# KiCad board KlusterLab r2.0.kicad_pcb (continued)
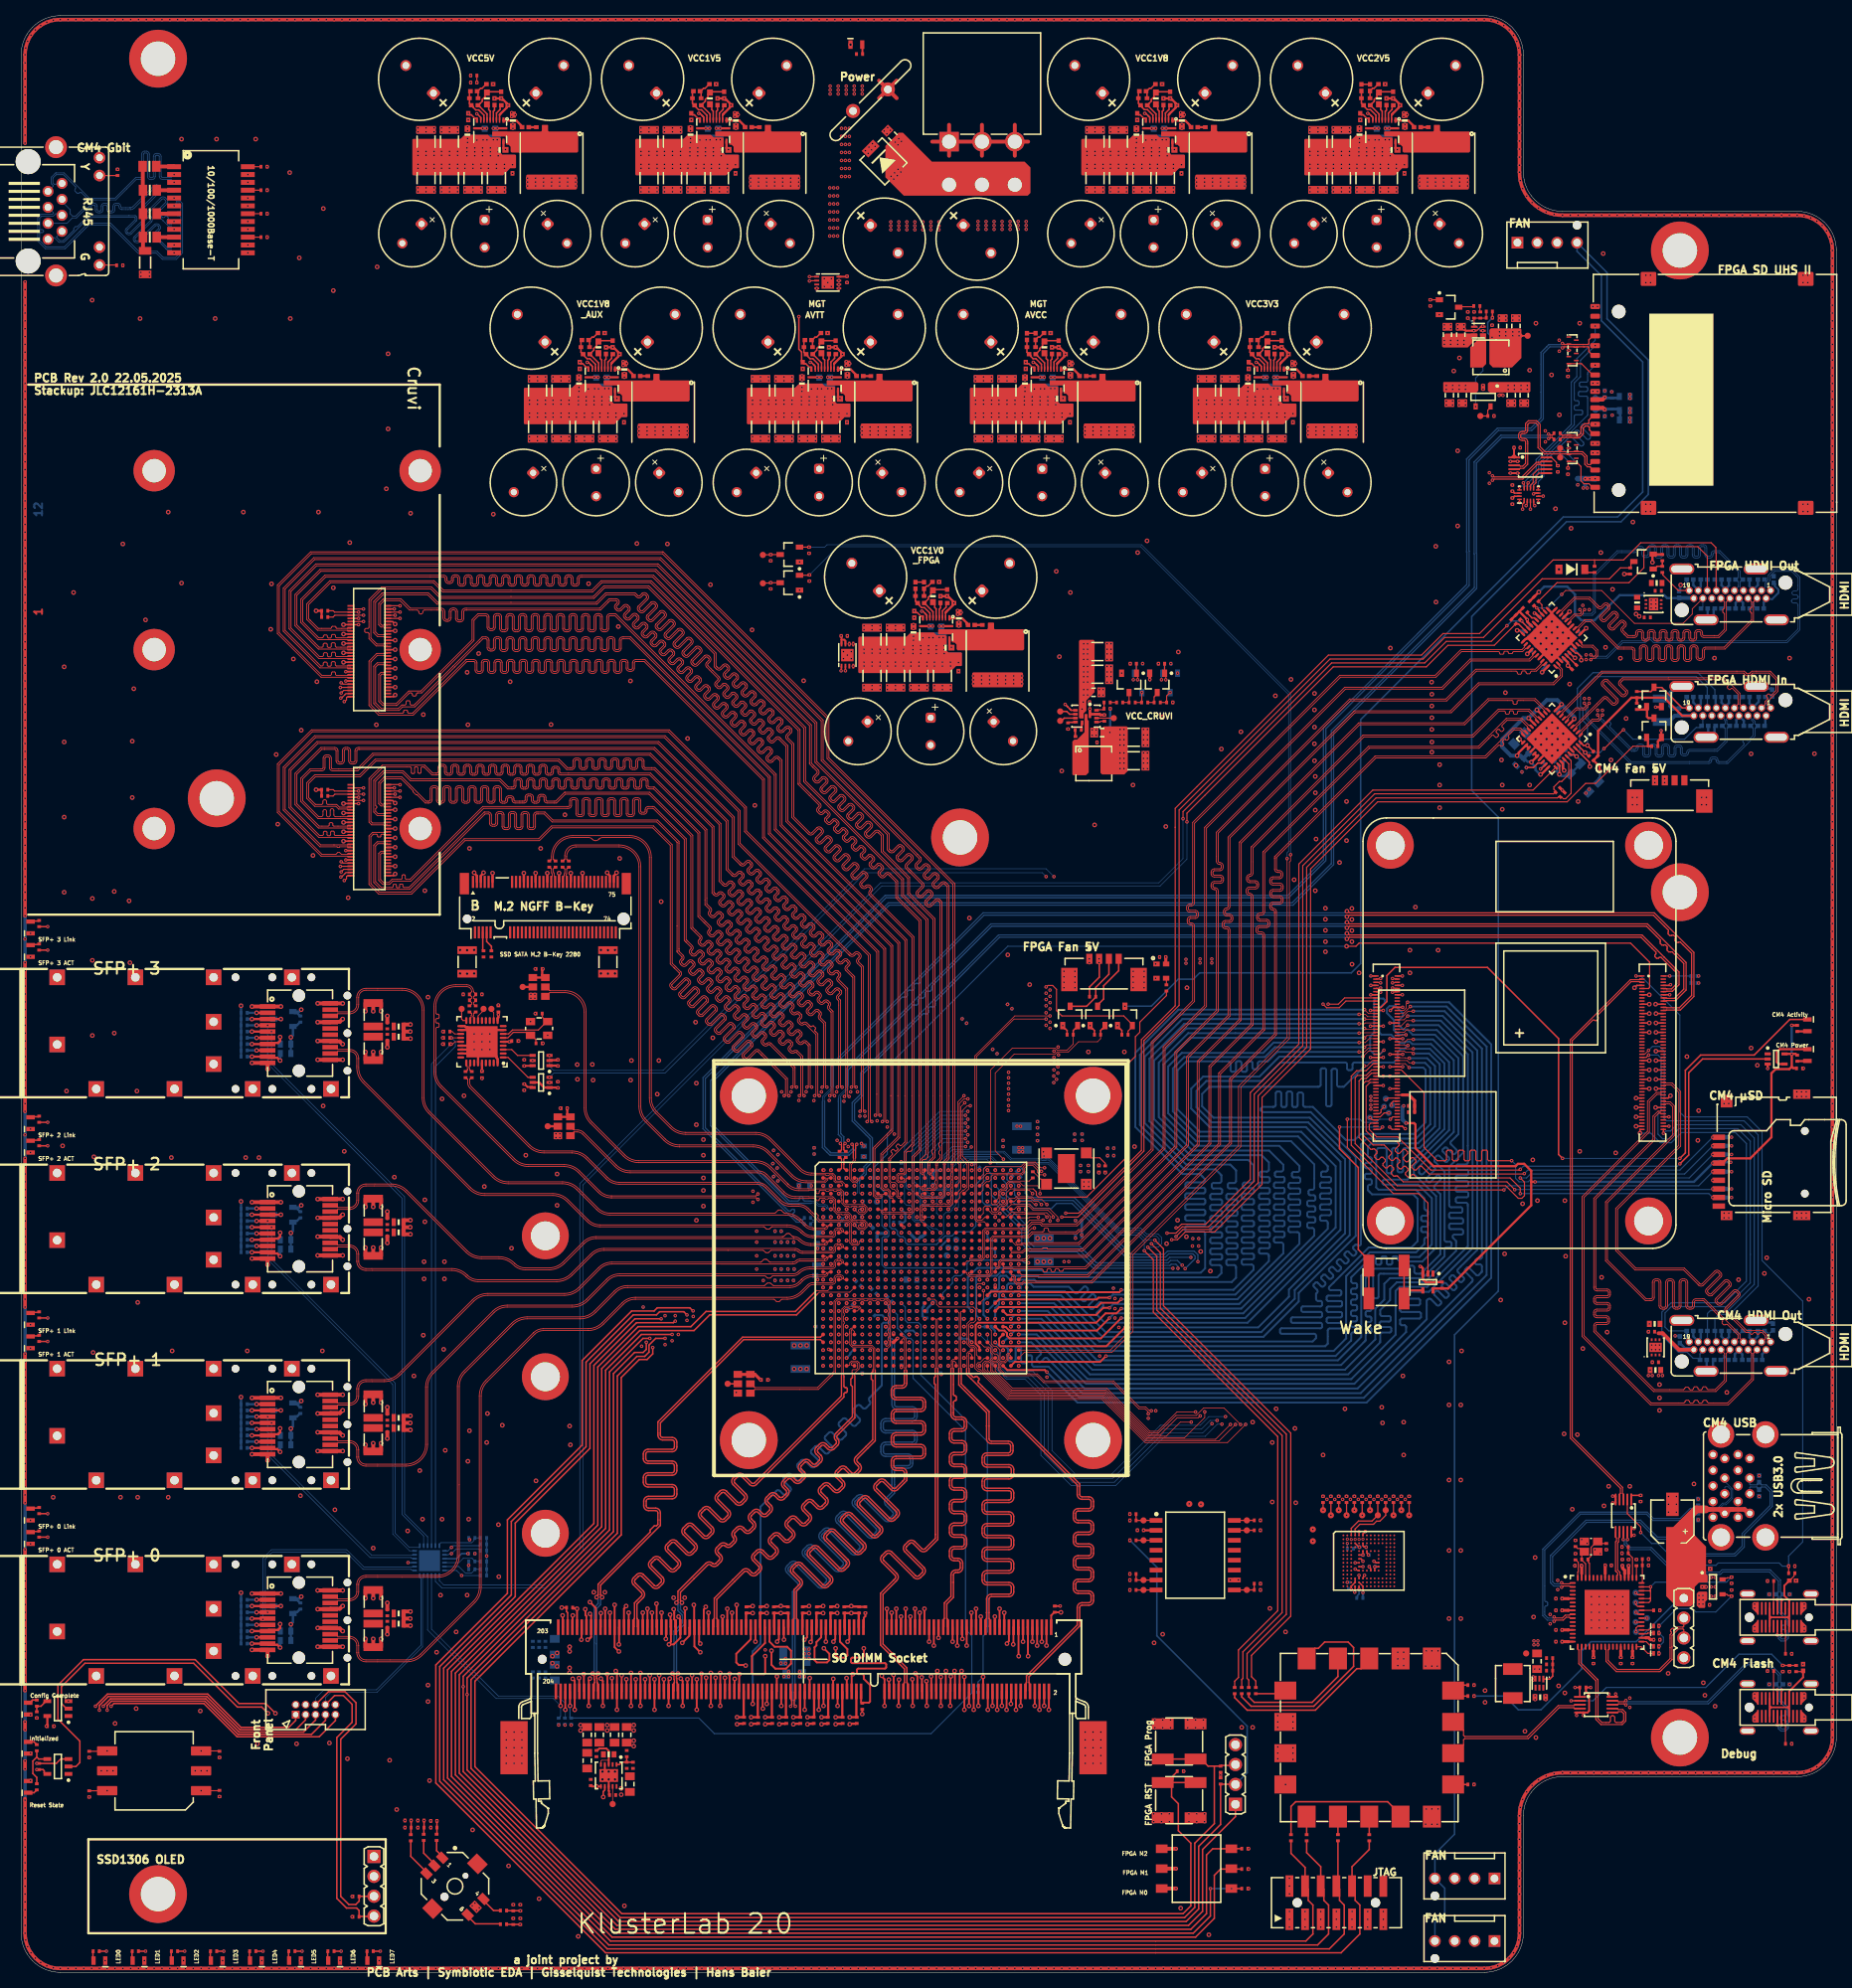
[diagram p0: board, top side]
## Routing (per net, layer and track width the routed paths; a pad name or vN(x,y) marks a point on that pad's centre or on a via; arc(x,y) is an arc through that point) (continued)
NetJ7_93: length 0.9
  L1 Top w0.15: J7.93 173.12,108.92 172.68,108.92 v1(172.4,109.2)
NetJ13_A5: length 3.5
  L1 Top w0.146: J13.A5 223.98,38.48
NetJ13_B5: length 3.5
  L1 Top w0.146: J13.B5 225.49,32.71 225.49,29.22
NetJ14_A5: length 3.5
  L1 Top w0.146: J14.A5 223.98,49.98
NetJ14_B5: length 3.5
  L1 Top w0.146: J14.B5 225.49,44.21 225.49,40.72 R138.2
NetJ16_3: length 9.3
  L1 Top w0.2: Q7.3 136.18,123.44 137.35,124.6 R92.1 137.35,125.85 139.03,127.53 J16.3
NetJ16_4: length 7.2
  L1 Top w0.2: J16.4 140.28,127.97 138.35,126.05 138.35,124.36 137.8,123.81 137.8,123.66 Q8.3
NetJ29_4: length 387.1
  L1 Top w0.2: 141,123.51 v1(141.08,123.44)
  L12 Bottom w0.2: 141.08,123.45 141.09,123.45 ; 141.09,123.45 144.45,123.45 147.9,126.9 149.83,126.9 150.63,127.7 170,127.7 171.2,128.9 171.2,160.05 197.1,185.95 204.05,185.95 207.25,189.15 207.25,205.75 201.97,211.03 201.97,216.78 198.86,219.89 J31.4 202.69,217.17 202.69,211.27 207.96,206 207.96,188.82 204.47,185.34 197.5,185.34 185.4,173.24 185.4,151 188.8,147.6 188.8,87.05 183.2,81.45 183.2,17.65 180.69,15.14 J29.4 181.95,10.74 181.95,7.6 180.69,6.34 J30.4 ; 141.09,123.45 v1(141.08,123.44)
NetJ34_9: length 2.2
  L1 Top w0.15: J34.9 12.17,218.14 R149.2
NetJ34_11: length 2.2
  L1 Top w0.15: J34.11 12.18,229.57 12.21,229.6
NetQ9_1: length 2
  L1 Top w0.2: R161.2 R162.1 209.09,179.65 208.74,179.3 Q9.1
NetQ10_3: length 3.5
  L1 Top w0.3: Q10.3 207.97,160.25 207.8,160.43 207.8,161.67 Q11.1 ; 207.75,161.37 207.71,161.34 206.52,161.34
NetQ13_3: length 2.1
  L1 Top w0.15: R327.1 R328.2 141.61,163.51 Q13.3
NetQ14_3: length 2.1
  L1 Top w0.15: R328.1 R329.2 143.23,162.27 143.23,163.51 v1(143.25,163.53)
NetQ15_3: length 2.2
  L1 Top w0.15: Q15.3 145.2,163.37 144.81,162.97 R330.2 R329.1
NetQ16_3: length 2.3
  L1 Top w0.15: v1(146.85,163.53) 146.41,163.09 R331.2 146.41,162.3 146.36,162.25 R330.1
NetQ17_3: length 2
  L1 Top w0.15: Q17.3 183.79,212.81 185.56,212.81 R341.1
NetR16_1:
  vias: v1(107.5,91.5)
NetR68_2: length 3.1
  L1 Top w0.15: R68.2 R73.1 207.21,49.8 207.16,49.75 U7.48
NetR74_2: length 1.6
  L1 Top w0.15: U7.41 R74.2
NetR76_1: length 2.2
  L1 Top w0.5: R76.1 T1.10
NetR77_1: length 2.2
  L1 Top w0.5: R77.1 T1.7
NetR78_2: length 2.5
  L1 Top w0.15: R78.2 198.7,52.71 199.01,52.39 199.01,51.19 198.95,51.13 U7.64
NetR80_2: length 1.6
  L1 Top w0.15: U7.49 R80.2
NetR96_2: length 1.9
  L1 Top w0.2: U11.15 R96.2
NetR97_2: length 2.3
  L1 Top w0.2: R97.2 U11.10
NetR98_1: length 4.3
  L1 Top w0.2: R102.2 183.73,36.7 U11.18 183.73,35.3 R98.1
NetR99_2: length 2.3
  L1 Top w0.2: R99.2 U11.11
NetR100_2: length 2.3
  L1 Top w0.2: R100.2 U11.12
NetR101_2: length 18.8
  L1 Top w0.2: R101.2 162.3,21.2 162.9,21.8 174.65,21.8 176.3,20.15 U11.13
NetR103_2: length 3.3
  L1 Top w0.15: Y2.1 136.77,104.08 137.85,104.08 138.55,103.38 R103.2
NetR104_1: length 2.4
  L1 Top w0.1: Y2.3 130.41,101.35 130.3,101.35 129.35,102.3 R104.1
NetR106_1: length 6.1
  L1 Top w0.2: R106.1 2,24.9 1.5,25.4 1.5,27 2,27.5 ; 2,27.5 R108.1 ; 2,27.5 2.25,27.25 U12.4
NetR107_1: length 2.4
  L1 Top w0.2: U15.4 3.1,34.65 2.95,34.5 2.95,34.42 2.54,34.01 R109.2 R107.1
NetR113_1: length 21.2
  L1 Top w0.2: R113.1 155.1,35.1 156.7,33.5 165.41,33.5 170.71,38.8 171.25,38.8 172.3,39.85 U11.3
NetR114_1: length 15.8
  L1 Top w0.2: U11.4 168.3,37.8 165,34.5 157.6,34.5 156.9,35.2 R114.1
NetR115_1: length 27
  L1 Top w0.2: U11.5 164.3,40.35 165.35,41.4 165.8,41.4 166.6,42.2 169.6,42.2 170.3,41.5 170.3,39.09 165.21,34 157.2,34 156,35.2 R115.1
NetR116_1: length 3.9
  L1 Top w0.2: R116.1 161.18,35.61 U11.6
NetR117_1:
  vias: v1(127.5,101.5)
NetR131_1: length 2.2
  L1 Top w0.5: R131.1 T1.4
NetR148_1: length 0.9
  L1 Top w0.1: Y7.3 146.38,126.98
  L1 Top w0.15: R148.1 146.38,126.98
NetR150_1: length 2.3
  L1 Top w0.5: R150.1 17.3,230.72 19.53,230.72 T1.1
NetR152_2: length 2
  L1 Top w0.2: U19.30 191.94,170.99 191.48,171.45 v2(191.2,171.45)
  L12 Bottom w0.2: v2(191.2,171.45) 191.9,171.45 192.06,171.29 R152.2
NetR156_2: length 3.8
  L1 Top w0.2: U19.7 198.25,168.97 198.66,168.55 198.9,168.55 199.37,168.08 199.37,167.68 v2(199.4,167.65)
  L12 Bottom w0.2: v2(199.4,167.65) 199.4,168.15 R156.2
NetR157_2: length 2
  L1 Top w0.2: U19.6 198.53,167.95 v2(198.6,167.95)
  L12 Bottom w0.2: v2(198.6,167.95) 198.53,167.95 197.94,168.54 R157.2
NetR160_2: length 1.8
  L1 Top w0.2: R160.2 198.76,167.03 197.53,168.26 U19.5
NetR163_2: length 1.7
  L1 Top w0.2: R163.2 192.5,173.65 193.1,173.05 193.4,173.05 193.69,172.76 U19.25
NetR178_2: length 2.5
  L1 Top w0.2: R178.2 53.1,15.55 53.95,14.7
NetR184_2: length 4.9
  L1 Top w0.2: 51.87,12.75 49.8,14.82 R184.2
NetR185_2: length 3.7
  L1 Top w0.2: 52.91,13.72 52.91,13.77 51.45,15.23 R185.2
NetR186_2: length 2.8
  L1 Top w0.2: R186.2 60.38,7.9 59.03,9.25
NetR188_2: length 4.8
  L1 Top w0.2: R188.2 61.21,6.2 58.05,6.2 56.95,7.3
NetR200_1: length 5
  L12 Bottom w0.1: R203.2 R200.1
  L12 Bottom w0.114: U22.22 55.95,52.35 56.5,52.9 57.65,52.9 58,52.55 R203.2
NetR201_1: length 5.2
  L12 Bottom w0.114: R201.1 R204.2 58,51.45 57.55,51 56.8,51 55.95,51.85 U22.23
NetR202_1: length 5.9
  L12 Bottom w0.114: U22.18 53.45,54.69 53.66,54.9 55.57,54.9 55.57,54.9 57.6,54.9 57.88,55.18 57.88,55.38 R205.2 R202.1
NetR207_2: length 1.1
  L1 Top w0.2: R207.2 R210.1
NetR211_2: length 1.5
  L1 Top w0.114: U23.21 55.4,119.9 55.1,120.2 R211.2
NetR213_1: length 2.9
  L1 Top w0.3: U28.1 61.65,236.6 63.27,236.6 63.88,236 63.88,235.88 64,235.75 R213.1
NetR218_2: length 2.2
  L1 Top w0.2: U28.3 60.75,237.55 61.22,238.02 61.22,238.39 R218.2
NetR219_2: length 2
  L1 Top w0.2: U28.4 60.35,237.77 60.5,237.92 R219.2
NetR221_1: length 2.9
  L1 Top w0.3: R221.1 149.5,235.75 149.38,235.88 149.38,236 148.77,236.6 147.15,236.6 U29.1
NetR226_2: length 2.2
  L1 Top w0.2: U29.3 146.25,237.55 146.72,238.02 146.72,238.39 R226.2
NetR227_2: length 2
  L1 Top w0.2: R227.2 146,237.92 145.85,237.77 U29.4
NetR232_1: length 2.9
  L1 Top w0.3: R232.1 121,172.15 120.88,172.28 120.88,172.4 120.27,173 118.65,173 U13.1
NetR234_1: length 2.9
  L1 Top w0.3: R234.1 78.25,203.95 78.13,204.08 78.13,204.2 77.52,204.8 75.9,204.8 U30.1
NetR239_2: length 2.2
  L1 Top w0.2: R239.2 75.47,206.59 75.47,206.22 75,205.75 U30.3
NetR240_2: length 2
  L1 Top w0.2: U30.4 74.6,205.97 74.75,206.12 R240.2
NetR242_1: length 2.9
  L1 Top w0.3: U31.1 90.15,236.6 91.77,236.6 92.38,236 92.38,235.88 92.5,235.75 R242.1
NetR247_2: length 2.2
  L1 Top w0.2: R247.2 89.72,238.39 89.72,238.02 89.25,237.55 U31.3
NetR248_2: length 2
  L1 Top w0.2: U31.4 88.85,237.77 89,237.92 R248.2
NetR250_1: length 2.9
  L1 Top w0.3: R250.1 106.75,203.95 106.63,204.08 106.63,204.2 106.02,204.8 104.4,204.8 U32.1
NetR274_2:
  vias: v1(126.5,101.5)
NetR288_2: length 1.1
  L1 Top w0.2: R288.2 R300.1
NetR292_2: length 2.2
  L1 Top w0.2: U13.3 117.75,173.95 118.22,174.42 118.22,174.79 R292.2
NetR293_2: length 2
  L1 Top w0.2: R293.2 117.5,174.32 117.35,174.17 U13.4
NetR295_2: length 2.2
  L1 Top w0.2: U32.3 103.5,205.75 103.97,206.22 103.97,206.59 R295.2
NetR296_2: length 2
  L1 Top w0.2: U32.4 103.1,205.97 103.25,206.12 R296.2
NetR298_1: length 2.9
  L1 Top w0.3: U33.1 132.9,204.8 134.52,204.8 135.13,204.2 135.13,204.07 135.25,203.95 R298.1
NetR303_2: length 2.2
  L1 Top w0.2: U33.3 132,205.75 132.47,206.22 132.47,206.59 R303.2
NetR304_2: length 2
  L1 Top w0.2: R304.2 131.75,206.12 131.6,205.97 U33.4
NetR306_1: length 2.9
  L1 Top w0.3: R306.1 178,235.75 177.88,235.88 177.88,236 177.27,236.6 175.65,236.6 U34.1
NetR308_2: length 1.1
  L1 Top w0.2: R308.2 R322.1
NetR311_2: length 2.2
  L1 Top w0.2: U34.3 174.75,237.55 175.22,238.02 175.22,238.39 R311.2
NetR312_2: length 2
  L1 Top w0.2: R312.2 174.5,237.92 174.35,237.77 U34.4
NetR314_1: length 2.9
  L1 Top w0.3: R314.1 163.75,203.95 163.63,204.07 163.63,204.2 163.02,204.8 161.4,204.8 U35.1
NetR319_2: length 2.2
  L1 Top w0.2: R319.2 160.97,206.59 160.97,206.22 160.5,205.75 U35.3
NetR320_2: length 2
  L1 Top w0.2: 160.25,206.77 160.25,206.12 160.1,205.97 U35.4
NetR325_1: length 1.8
  L1 Top w0.15: R326.2 R325.1 138.41,161.44 138.29,161.32 137.52,161.32 U37.12
NetR326_1: length 0.8
  L1 Top w0.15: R326.1 R327.2
NetR340_1: length 0.8
  L1 Top w0.15: R341.2 186.45,212.2 R340.1
NetS1_1: length 7
  L1 Top w0.15: S1.3 176.75,86.58
  L1 Top w0.2: 176.75,86.58 S1.1
  L1 Top w0.3: 176.75,86.58 177.3,87.13 U4.4 179.15,86.93
NetTP1_1: length 2.3
  L1 Top w0.1: TP1.1 U2.9
NetTP8_1:
  vias: v1(118.5,91.5)
NetTP9_1:
  vias: v1(119.5,92.5)
NetTP10_1:
  vias: v1(118.5,92.5)
NetTP11_1:
  vias: v1(119.5,93.5)
NetTP12_1:
  vias: v1(161.6,24)
NetTP13_1: length 2
  L1 Top w0.15: TP13.1 56.3,121.8 56.49,121.61 U23.18
NetTP14_1: length 1.6
  L1 Top w0.114: TP14.1 60.1,122.91 60.4,122.61 U23.11
NetTP15_1: length 1.8
  L1 Top w0.114: TP15.1 59.1,122.91 58.91,122.72 58.91,122.71 58.4,122.2 U23.15
NetTP16_1: length 1.3
  L1 Top w0.2: TP16.1 Y4.2
NetTP17_1: length 1.3
  L1 Top w0.3: TP17.1 Y5.2
NetTP18_1: length 1.3
  L1 Top w0.3: TP18.1 Y6.2
NetTP21_1:
  vias: v1(109.43,98.48)
NetTP22_1:
  vias: v1(113.5,91.5)
NetTP26_1: length 0.7
  L1 Top w0.15: v1(206.35,44.75) U7.38
NetTP27_1: length 1.3
  L1 Top w0.15: v1(206.4,43.5) 206.4,44.01 206.63,44.23 207.08,44.23 U7.37
NetTP29_1: length 2.1
  L1 Top w0.2: TP29.1 133.65,161.1 134,160.75 U37.4
NetTP30_1: length 2.1
  L1 Top w0.2: TP30.1 132.96,159.9 133.31,160.25 U37.5
NetTP31_1: length 2.2
  L1 Top w0.15: U37.10 TP31.1
PCIe_C_TX0_N: length 2
  L1 Top w0.166: U1.A3 104.59,102.5 104.71,102.62 104.76,102.62 104.85,102.71 104.85,103.91 104.65,104.11 C82.1
PCIe_C_TX0_P: length 2
  L1 Top w0.166: U1.A4 105.41,102.5 105.29,102.62 105.24,102.62 105.15,102.71 105.15,103.9 105.35,104.11 C81.1
PCIe_CLKREQ: length 4.4
  L1 Top w0.15: J8.102 v1(210.7,127.3)
  L12 Bottom w0.15: 210.7,127.3 R69.1 R70.1
PCIe_PERST: length 146.8
  L1 Top w0.1: v1(119.59,89.5) 119.5,89.5 U1.P18
  L1 Top w0.166: J8.109 208,125.7 208.13,125.83 208.13,129.07 205.7,131.5 171,131.5 170.6,131.1 v2(169.4,131.1)
  L12 Bottom w0.15: v2(169.4,131.1) 126.1,131.1 111.39,116.39 111.39,107.84 110.7,107.15 110.7,104.55 109,102.85 109,100 110.02,98.98 110.02,95.42 110.39,95.04 110.53,95.04 110.9,94.67 110.9,94.11 110.75,93.96 110.18,93.96 110.03,93.81 110.03,90.4 110.43,90 119.09,90 v1(119.59,89.5)
PCIe_REFCLK_N: length 135.9
  L1 Top w0.166: v2(169.45,132.74) 169.56,132.74 169.76,132.54 207.16,132.54 211.89,127.81 211.89,126.19 211.05,125.35 210.34,125.35 210.3,125.32 209.9,125.32 J8.112
  L12 Bottom w0.1: v1(106.5,99.5) 106.57,99.57 106.84,99.57 106.9,99.63 106.9,100.8 106.85,100.85
  L12 Bottom w0.166: v2(169.45,132.74) 169.34,132.74 169.13,132.54 124.93,132.54 107.31,114.92 107.31,112.21 106.21,111.11 106.21,108.77 108.5,106.49 108.5,103.7 107.71,102.91 107.71,102.1 106.85,101.25 106.85,100.85
PCIe_REFCLK_P: length 135.7
  L1 Top w0.166: J8.110 209.9,125.68 210.3,125.68 210.34,125.65 210.93,125.65 211.6,126.31 211.6,127.69 209.6,129.69 209.38,129.69 209.25,129.56 209.03,129.56 208.81,129.78 208.81,129.99 208.94,130.13 208.94,130.34 207.04,132.25 169.76,132.25 169.56,132.04 v2(169.45,132.04)
  L12 Bottom w0.1: v1(107.5,99.5) 107.43,99.57 107.16,99.57 107.1,99.63 107.1,100.8 107.15,100.85
  L12 Bottom w0.166: v2(169.45,132.04) 169.34,132.04 169.13,132.25 125.05,132.25 116.82,124.02 116.82,123.8 116.84,123.78 116.84,123.57 116.62,123.35 116.4,123.35 116.36,123.38 116.15,123.38 115.93,123.17 115.93,122.95 115.98,122.89 115.98,122.68 115.77,122.46 115.55,122.46 115.51,122.49 115.29,122.49 107.6,114.8 107.6,112.09 106.51,110.99 106.51,108.89 108.79,106.61 108.79,103.58 108,102.79 108,101.98 107.15,101.13 107.15,100.85
PCIe_RX0_N: length 153.7
  L1 Top w0.1: U1.B5 106.84,101.5 106.9,101.44 106.9,101.33 106.67,101.1 106.4,101.1 106.1,101.4 106.1,103.2 106.6,103.7 106.6,104 106.65,104.05
  L1 Top w0.166: 106.65,104.05 106.65,105.8 ; v2(169.45,135.57) 169.56,135.57 169.76,135.37 208.73,135.37 213.79,130.31 213.79,124.69 212.05,122.95 210.31,122.95 210.28,122.92 209.9,122.92 J8.124
  L12 Bottom w0.1: 102.4,111.3 102.44,111.34 102.44,111.9 103.55,113.01 103.55,113.16 103.51,113.2
  L12 Bottom w0.166: 103.51,113.2 103.51,115.92 122.95,135.37 169.13,135.37 169.34,135.57 v2(169.45,135.57) ; v1(106.8,105.8) 106.8,105.72 106.65,105.57 106.65,105.2 106.27,104.82 106.24,104.82 105.82,104.41 103.38,104.41 102.4,105.39 102.4,111.3
PCIe_RX0_P: length 153.7
  L1 Top w0.1: 106.35,104.05 106.4,104 106.4,103.78 105.9,103.28 105.9,101.32 106.32,100.9 106.75,100.9 107.1,101.25 107.1,101.44 107.16,101.5 U1.B6
  L1 Top w0.166: 106.35,104.05 106.35,105.8 ; v2(169.45,134.87) 169.56,134.87 169.76,135.07 208.61,135.07 210.54,133.15 210.54,132.93 210.5,132.89 210.5,132.68 210.72,132.46 210.93,132.46 210.99,132.51 211.21,132.51 211.43,132.3 211.43,132.08 211.37,132.02 211.37,131.8 211.59,131.59 211.81,131.59 211.84,131.62 212.06,131.62 213.5,130.19 213.5,124.81 211.93,123.24 210.34,123.24 210.3,123.28 209.9,123.28 J8.122
  L12 Bottom w0.1: 103.8,113.2 103.75,113.15 103.75,112.93 102.64,111.82 102.64,111.35 102.69,111.3
  L12 Bottom w0.166: 103.8,113.2 103.8,115.8 112.59,124.59 112.81,124.59 112.82,124.59 113.04,124.59 113.26,124.8 113.26,125.02 113.23,125.05 113.23,125.27 113.45,125.48 113.66,125.48 113.69,125.46 113.91,125.46 114.13,125.67 114.13,125.89 114.1,125.92 114.1,126.14 114.32,126.36 114.54,126.36 114.56,126.33 114.78,126.33 115,126.55 115,126.76 114.99,126.77 114.99,126.99 123.08,135.07 169.13,135.07 169.34,134.87 v2(169.45,134.87) ; 102.69,111.3 102.69,105.51 103.5,104.7 105.7,104.7 106.12,105.12 106.14,105.12 106.35,105.33 106.35,105.57 106.2,105.72 v1(106.2,105.8)
PCIe_TX0_N: length 135.5
  L1 Top w0.166: 104.85,105.8 104.85,105.1 104.65,104.9 C82.2 ; J8.118 209.9,124.12 210.3,124.12 210.34,124.15 211.44,124.15 212.79,125.5 212.79,129.02 207.86,133.95 169.76,133.95 169.56,134.16 v2(169.45,134.16)
  L12 Bottom w0.1: 105.41,113.4 105.41,113.25 105.45,113.2 105.45,112.95 104.5,112 104.5,111.7 104.45,111.65
  L12 Bottom w0.166: v2(169.45,134.16) 169.34,134.16 169.13,133.95 123.94,133.95 105.41,115.42 105.41,113.4 ; v1(104.7,105.9) 104.7,105.98 104.85,106.13 104.85,106.63 104.45,107.03 104.45,111.3 104.45,111.3 104.45,111.65
PCIe_TX0_P: length 135.5
  L1 Top w0.166: 105.15,105.8 105.15,105.1 105.35,104.9 C81.2 ; J8.116 209.9,124.48 210.3,124.48 210.34,124.45 211.32,124.45 212.5,125.63 212.5,128.9 211.02,130.38 210.8,130.38 210.8,130.38 210.58,130.38 210.36,130.6 210.36,130.81 210.38,130.84 210.38,131.05 210.17,131.27 209.95,131.27 209.93,131.25 209.71,131.25 209.49,131.47 209.49,131.69 209.49,131.69 209.49,131.91 207.74,133.66 169.76,133.66 169.56,133.46 v2(169.45,133.46)
  L12 Bottom w0.1: 105.7,113.4 105.7,113.25 105.65,113.2 105.65,112.87 104.7,111.92 104.7,111.7 104.75,111.65
  L12 Bottom w0.166: v2(169.45,133.46) 169.34,133.46 169.13,133.66 124.06,133.66 116.75,126.35 116.39,125.99 116.39,125.55 116.17,125.34 115.95,125.34 115.94,125.36 115.72,125.36 115.5,125.14 115.5,124.92 115.5,124.92 115.5,124.7 115.28,124.48 115.07,124.48 114.85,124.48 114.63,124.27 114.63,124.05 114.66,124.01 114.66,123.8 114.45,123.58 114.23,123.58 114.21,123.59 113.99,123.59 105.7,115.3 105.7,113.4 ; 104.75,111.65 104.75,111.38 104.74,111.37 104.74,107.16 105.15,106.75 105.15,106.13 105.3,105.98 v1(105.3,105.9)
Pi_Activity: length 91.5
  L1 Top w0.2: v1(212,104) 212.7,104.7 212.7,115.25 214.65,117.2 221.5,117.2 226.05,121.75 D1.1 ; v1(197,104) 196.5,104.5 196.5,119.3 187.4,128.4 175.6,128.4 174.55,127.35 174.55,124.04 173.81,123.3 J7.21
  L12 Bottom w0.114: v1(197,104) v1(212,104)
PI_~{EXTRST: length 71
  L1 Top w0.15: v1(174.9,108) 175.2,107.7 J7.100 ; v1(117.8,86.15) 117.8,86.18 117.5,86.47 U1.U16
  L10 Inner9 (Sig) w0.15: v1(174.9,108) 174.9,106 174.15,105.25 150.65,105.25 135.4,90 129.4,90 v1(128.75,90.65)
  L12 Bottom w0.15: v1(117.8,86.15) 117.8,86.82 119.03,88.05 119.03,88.73 119.3,89 120.1,89 120.9,89.8 120.9,90.6 121.3,91 127.86,91 128.21,90.65 v1(128.75,90.65)
Power_LED: length 66.6
  L1 Top w0.15: v1(191.6,102.6) 191.52,102.6 191.42,102.5 180.18,102.5 175.93,106.75 173.25,106.75 172.3,107.7 172.3,108.3 172.5,108.5 J7.95
  L1 Top w0.2: v1(212,103.3) 213.13,104.43 213.13,114.93 214.9,116.7 U3.2
  L12 Bottom w0.15: v1(212,103.3) 211.7,103 192,103 v1(191.6,102.6)
PSU_CTRL.1V0_FPGA_EN: length 0.6
  L1 Top w0.2: 115.57,173.59 115.75,173.41 U13.8 115.75,173.03
PSU_CTRL.1V0_FPGA_PG: length 69.9
  L1 Top w0.2: U13.9 115.25,173.23 115.2,173.28 114.99,173.28 114.54,173.73 114.33,173.73 114.15,173.9 v1(114.15,173.93)
  L10 Inner9 (Sig) w0.2: v1(114.15,173.93) 113.8,174.28 113.8,184.13 108.41,189.52 108.41,191.89 106.05,194.25 90,194.25 76.35,207.9 76.35,209 75.1,210.25 73.85,210.25 72.35,208.75 v1(72.35,205.71)
PSU_CTRL.1V0_MGTAVCC_EN: length 0.6
  L1 Top w0.2: NT7.1 130,205.2 U33.8 130,204.82
PSU_CTRL.1V0_MGTAVCC_PG: length 34.6
  L1 Top w0.2: U33.9 129.5,205.03 129.45,205.08 129.24,205.08 128.79,205.52 128.58,205.52 128.4,205.7 v1(128.4,205.72)
  L10 Inner9 (Sig) w0.2: v1(100.85,205.71) 100.85,206.45 101.59,207.19 101.59,209.49 102.3,210.2 108.95,210.2 113.02,206.14 127.99,206.14 v1(128.4,205.72)
PSU_CTRL.1V2_MGTAVTT_EN: length 0.6
  L1 Top w0.2: 101.5,204.83 U32.8 101.5,205.21 NT6.1
PSU_CTRL.1V2_MGTAVTT_PG: length 274.2
  L1 Top w0.2: v1(99.4,211.55) 99.4,207.38 99.75,207.03 99.75,205.88 R251.2 99.9,205.7 100.08,205.53 100.29,205.53 100.74,205.08 100.95,205.08 101,205.03 U32.9 ; NT9.2 133.53,161.92 133.51,161.92 v1(133.43,162)
  L10 Inner9 (Sig) w0.2: 102.3,242 88.3,242 86.6,240.3 v1(86.6,237.51) ; 102.3,242 102.45,241.85 ; 102.3,242 102.6,242 ; 143.45,242 143.75,242 ; 143.45,242 143.6,241.85 ; 143.45,242 130.85,242 128.5,244.35 108.8,244.35 106.45,242 102.6,242 ; 143.75,242 149.5,242 ; 143.75,242 143.6,241.85 ; v1(143.6,237.51) 143.6,241.85 ; 102.45,241.85 102.45,220.8 ; 102.45,241.85 102.6,242 ; 102.45,220.8 102.45,220.55 ; 102.45,220.8 102.7,220.55 ; 102.45,220.55 102.7,220.55 ; 102.45,220.55 99.4,217.5 v1(99.4,211.55) ; 102.7,220.55 104.85,220.55 109.85,215.55 134.15,215.55 144.15,205.55 144.15,187.7 133.43,176.98 v1(133.43,162) ; v1(157.85,205.71) 157.85,213.6 149.15,222.3 149.15,229.4 149.65,229.9 149.65,241.85 ; 149.8,242 167.61,242 v1(172.1,237.51) ; 149.8,242 149.5,242 ; 149.8,242 149.65,241.85 ; 149.5,242 149.65,241.85
PSU_CTRL.1V5_EN: length 0.6
  L1 Top w0.2: 87.25,236.63 87.25,237.02
  L1 Top w0.215: 87.07,237.19 87.25,237.02
PSU_CTRL.1V5_PG: length 1.6
  L1 Top w0.2: R243.2 85.65,237.5 85.83,237.33 86.04,237.33 86.49,236.88 86.7,236.88 86.75,236.83 U31.9
PSU_CTRL.1V8_EN: length 0.6
  L1 Top w0.2: U29.8 144.25,237 NT3.1
PSU_CTRL.1V8_PG: length 1.6
  L1 Top w0.2: R222.2 142.65,237.5 142.83,237.33 143.04,237.33 143.49,236.88 143.7,236.88 143.75,236.83 U29.9
PSU_CTRL.1V8AUX_EN: length 0.6
  L1 Top w0.2: NT4.1 73,205.2 U30.8 73,204.82
PSU_CTRL.1V8AUX_PG: length 70.7
  L1 Top w0.2: U30.9 72.5,205.03 72.45,205.08 72.24,205.08 71.79,205.53 71.58,205.53 71.4,205.7 v1(71.4,205.73)
  L10 Inner9 (Sig) w0.2: v1(129.35,205.71) 128.41,206.65 113.2,206.65 109.16,210.69 102.1,210.69 101.1,209.7 101.1,207.4 100.45,206.75 78.4,206.75 76.92,208.23 76.92,209.28 75.4,210.8 73.5,210.8 71.4,208.7 v1(71.4,205.73)
PSU_CTRL.2V5_EN: length 1
  L1 Top w0.2: NT2.1 172.75,237 U34.8 172.75,236.99
PSU_CTRL.2V5_PG: length 1.6
  L1 Top w0.2: U34.9 172.25,236.83 172.2,236.88 171.99,236.88 171.54,237.33 171.33,237.33 171.15,237.5 R307.2
PSU_CTRL.3V3_EN: length 0.6
  L1 Top w0.2: NT1.1 158.5,205.2 U35.8 158.5,204.82
PSU_CTRL.3V3_PG: length 1.6
  L1 Top w0.2: U35.9 158,205.03 157.95,205.08 157.74,205.08 157.29,205.52 157.08,205.52 156.9,205.7 R315.2
PSU_CTRL.5V0_EN: length 6
  L1 Top w0.15: v1(58.25,241.45) R229.2
  L1 Top w0.2: v1(58.25,237.45) 58.29,237.45 58.75,236.99 U28.8
  L10 Inner9 (Sig) w0.2: 58.25,241.38 v1(58.25,241.45) ; v1(58.25,237.45) 58.25,241.45
PSU_CTRL.5V0_PG: length 124.7
  L1 Top w0.2: v1(57.15,237.53) 57.15,237.5 57.33,237.33 57.54,237.33 57.99,236.88 58.2,236.88 58.25,236.83 U28.9
  L10 Inner9 (Sig) w0.2: v1(115.1,173.91) 114.69,173.5 113.6,173.5 113.2,173.9 113.2,183.85 107.8,189.25 107.8,191.55 105.6,193.75 64.55,193.75 63.4,194.9 63.4,207.35 62.05,208.7 62.05,214.6 49.35,227.3 49.35,235.75 51.13,237.53 v1(57.15,237.53)
PSU_CTRL.VCC_CRUVI_EN: length 0.7
  L1 Top w0.2: NT9.1 134.2,161.25 U37.3
PSU_CTRL.VCC_CRUVI_PG: length 1
  L1 Top w0.2: U37.6 134.72,159.72 134.28,159.72 133.87,159.72 R324.2
REC_CLOCK_C_N: length 99.8
  L1 Top w0.114: 57.3,124.25 57.31,124.25 ; 57.31,124.25 R206.2 57.31,124.15 57.44,124.02 57.46,124.02 57.58,123.9 57.58,123.72 57.35,123.5 C191.2 ; 57.31,124.25 57.35,124.25 57.57,124.48 57.57,124.66 57.46,124.77 57.43,124.77 57.3,124.91 ; R231.2 57.3,125 57.58,125.28 57.58,125.3 arc(57.39,125.75) 56.94,125.94 55.54,125.94 arc(53.74,125.2) 53,123.4 53,122.57 arc(53.04,122.47) 53.14,122.43 53.28,122.43 arc(53.38,122.38) 53.42,122.28 53.42,122 arc(53.38,121.9) 53.28,121.86 53.11,121.86 arc(53.01,121.82) 52.97,121.72 52.97,121.44 arc(53.01,121.34) 53.11,121.3 53.28,121.3 arc(53.38,121.26) 53.42,121.16 53.42,120.87 arc(53.38,120.77) 53.28,120.73 53.14,120.73 arc(53.04,120.69) 53,120.59 53,115.05 arc(53.19,114.08) 53.74,113.26 63.05,103.95 arc(63.88,103.4) 64.86,103.2 69.4,103.2 arc(70.47,102.99) 71.38,102.38 73.93,99.83 arc(74.63,99.36) 75.45,99.2 ; v1(94.17,99.45) 93.92,99.2 75.45,99.2 ; 75.45,99.2 arc(75.45,99.2) 75.45,99.2
  L3 Inner2 (Sig) w0.1: v1(122.5,89.5) 122.17,89.16 122.01,89.16 120.53,90.64 120.44,90.64 119.98,91.1 104.27,91.1 104.13,91.24 103.8,91.24 103.74,91.3 101.77,91.3 96.23,96.84 96.23,97.87 94.83,99.27 94.4,99.27 94.22,99.45 v1(94.17,99.45)
REC_CLOCK_C_P: length 99.7
  L1 Top w0.114: v1(94.17,98.75) 93.97,98.96 75.45,98.96 ; R230.2 58.11,125 57.82,125.28 57.82,125.3 arc(57.56,125.92) 56.94,126.18 55.54,126.18 arc(53.57,125.37) 52.76,123.4 52.76,115.05 arc(52.97,113.99) 53.57,113.09 62.88,103.78 arc(63.79,103.17) 64.86,102.96 69.4,102.96 arc(70.38,102.76) 71.21,102.21 73.76,99.66 arc(74.53,99.14) 75.45,98.96 ; C189.2 58.05,123.5 57.82,123.72 57.82,123.9 57.94,124.02 57.96,124.02 58.1,124.15 R206.1 58.1,124.25 58.05,124.25 57.82,124.48 57.82,124.65 57.93,124.77 57.96,124.77 58.09,124.91 ; 75.45,98.96 arc(75.45,98.96) 75.45,98.96
  L3 Inner2 (Sig) w0.1: v1(94.17,98.75) 94.22,98.75 94.4,98.94 94.69,98.94 95.9,97.73 95.9,96.7 101.63,90.97 103.74,90.97 103.76,90.99 104.09,90.99 104.18,90.9 119.9,90.9 120.3,90.5 120.3,90.41 121.87,88.83 122.17,88.83 v1(122.5,88.5)
REC_CLOCK_N: length 1.3
  L1 Top w0.114: U23.17 57.4,121.94 57.53,122.07 57.53,122.28 57.58,122.33 57.58,122.51 57.51,122.57 57.43,122.57 C191.1
REC_CLOCK_P: length 1.3
  L1 Top w0.114: U23.16 57.9,121.94 57.77,122.07 57.77,122.18 57.82,122.23 57.82,122.51 57.89,122.57 57.97,122.57 C189.1
RUN_PG: length 32.7
  L1 Top w0.15: U4.2 179.8,98.3 178.6,99.5 175.39,99.5 169.5,105.38 v1(169.5,109) ; v1(175,109) 175.3,109.3 J7.92
  L12 Bottom w0.15: v1(169.5,109) 171.1,109 171.5,108.6 173.2,108.6 173.6,109 v1(175,109)
SATA_RX_C_N: length 77.4
  L1 Top w0.1: 101.58,101.88 101.6,101.9 102.8,101.9 102.9,101.8 103.2,101.8 103.3,101.9 103.67,101.9 103.9,101.67 103.9,101.08 104.08,100.9 104.8,100.9 105,100.7 105,100.56 104.94,100.5 U1.C3
  L1 Top w0.114: 101.58,101.88 100.94,101.88 arc(100.18,102.03) 99.54,102.46 95.67,106.33 arc(94.85,106.88) 93.87,107.07 84.94,107.07 arc(83.87,107.29) 82.97,107.89 81.11,109.74 arc(80.51,110.65) 80.3,111.71 80.3,142.46 arc(79.56,144.26) 77.76,145 74.33,145 arc(74.09,144.95) 73.89,144.82 73.77,144.72 arc(73.64,144.63) 73.48,144.6 73.36,144.6 arc(73.2,144.63) 73.07,144.72 72.95,144.82 arc(72.75,144.95) 72.52,145 70.5,145 arc(68.75,144.27) 68.02,142.52 68.02,142.19 68.09,142.13 68.17,142.13 C86.1
SATA_RX_C_P: length 77.5
  L1 Top w0.1: 101.58,102.12 101.6,102.1 103.75,102.1 104.1,101.75 104.1,101.16 104.16,101.1 104.9,101.1 U1.C4
  L1 Top w0.114: C85.1 67.63,142.13 67.71,142.13 67.78,142.19 67.78,142.52 arc(68.58,144.44) 70.5,145.24 77.76,145.24 arc(79.73,144.43) 80.54,142.46 80.54,111.71 arc(80.73,110.74) 81.28,109.92 83.14,108.06 arc(83.97,107.51) 84.94,107.31 93.87,107.31 arc(94.94,107.1) 95.84,106.5 99.64,102.7 arc(100.28,102.27) 101.04,102.12 101.58,102.12
SATA_RX_N: length 2.1
  L1 Top w0.114: J6.43 68.25,139.86 arc(68.23,139.94) 68.19,140.01 arc(68.14,140.09) 68.12,140.17 68.12,140.37 arc(68.11,140.44) 68.07,140.49 arc(68.03,140.55) 68.02,140.61 68.02,140.95 arc(68.03,141) 68.06,141.04 arc(68.09,141.06) 68.13,141.07 arc(68.16,141.08) 68.2,141.1 C86.2
SATA_RX_P: length 2.1
  L1 Top w0.114: C85.2 67.6,141.1 arc(67.64,141.08) 67.67,141.07 arc(67.71,141.06) 67.74,141.04 arc(67.77,141) 67.78,140.95 67.78,140.51 arc(67.79,140.45) 67.83,140.39 arc(67.87,140.34) 67.88,140.27 67.88,140.17 arc(67.86,140.09) 67.81,140.01 arc(67.77,139.94) 67.75,139.86 J6.41
SATA_TX_C_N: length 72
  L1 Top w0.1: U1.B1 102.84,101.5 102.9,101.44 102.9,101.33 102.67,101.1 101.55,101.1 101.52,101.13
  L1 Top w0.114: 101.52,101.13 100.36,101.13 arc(99.39,101.32) 98.57,101.87 95.54,104.9 arc(94.64,105.5) 93.58,105.71 84.14,105.71 arc(83.17,105.91) 82.34,106.46 79.94,108.86 arc(79.39,109.68) 79.2,110.65 79.2,141.26 arc(78.39,143.23) 76.42,144.04 70.85,144.04 arc(69.88,143.64) 69.48,142.67 69.48,142.25 arc(69.47,142.2) 69.44,142.16 arc(69.41,142.14) 69.37,142.13 arc(69.34,142.12) 69.31,142.1 C84.1
